# Altium PCB PCB1.PcbDoc (continued)
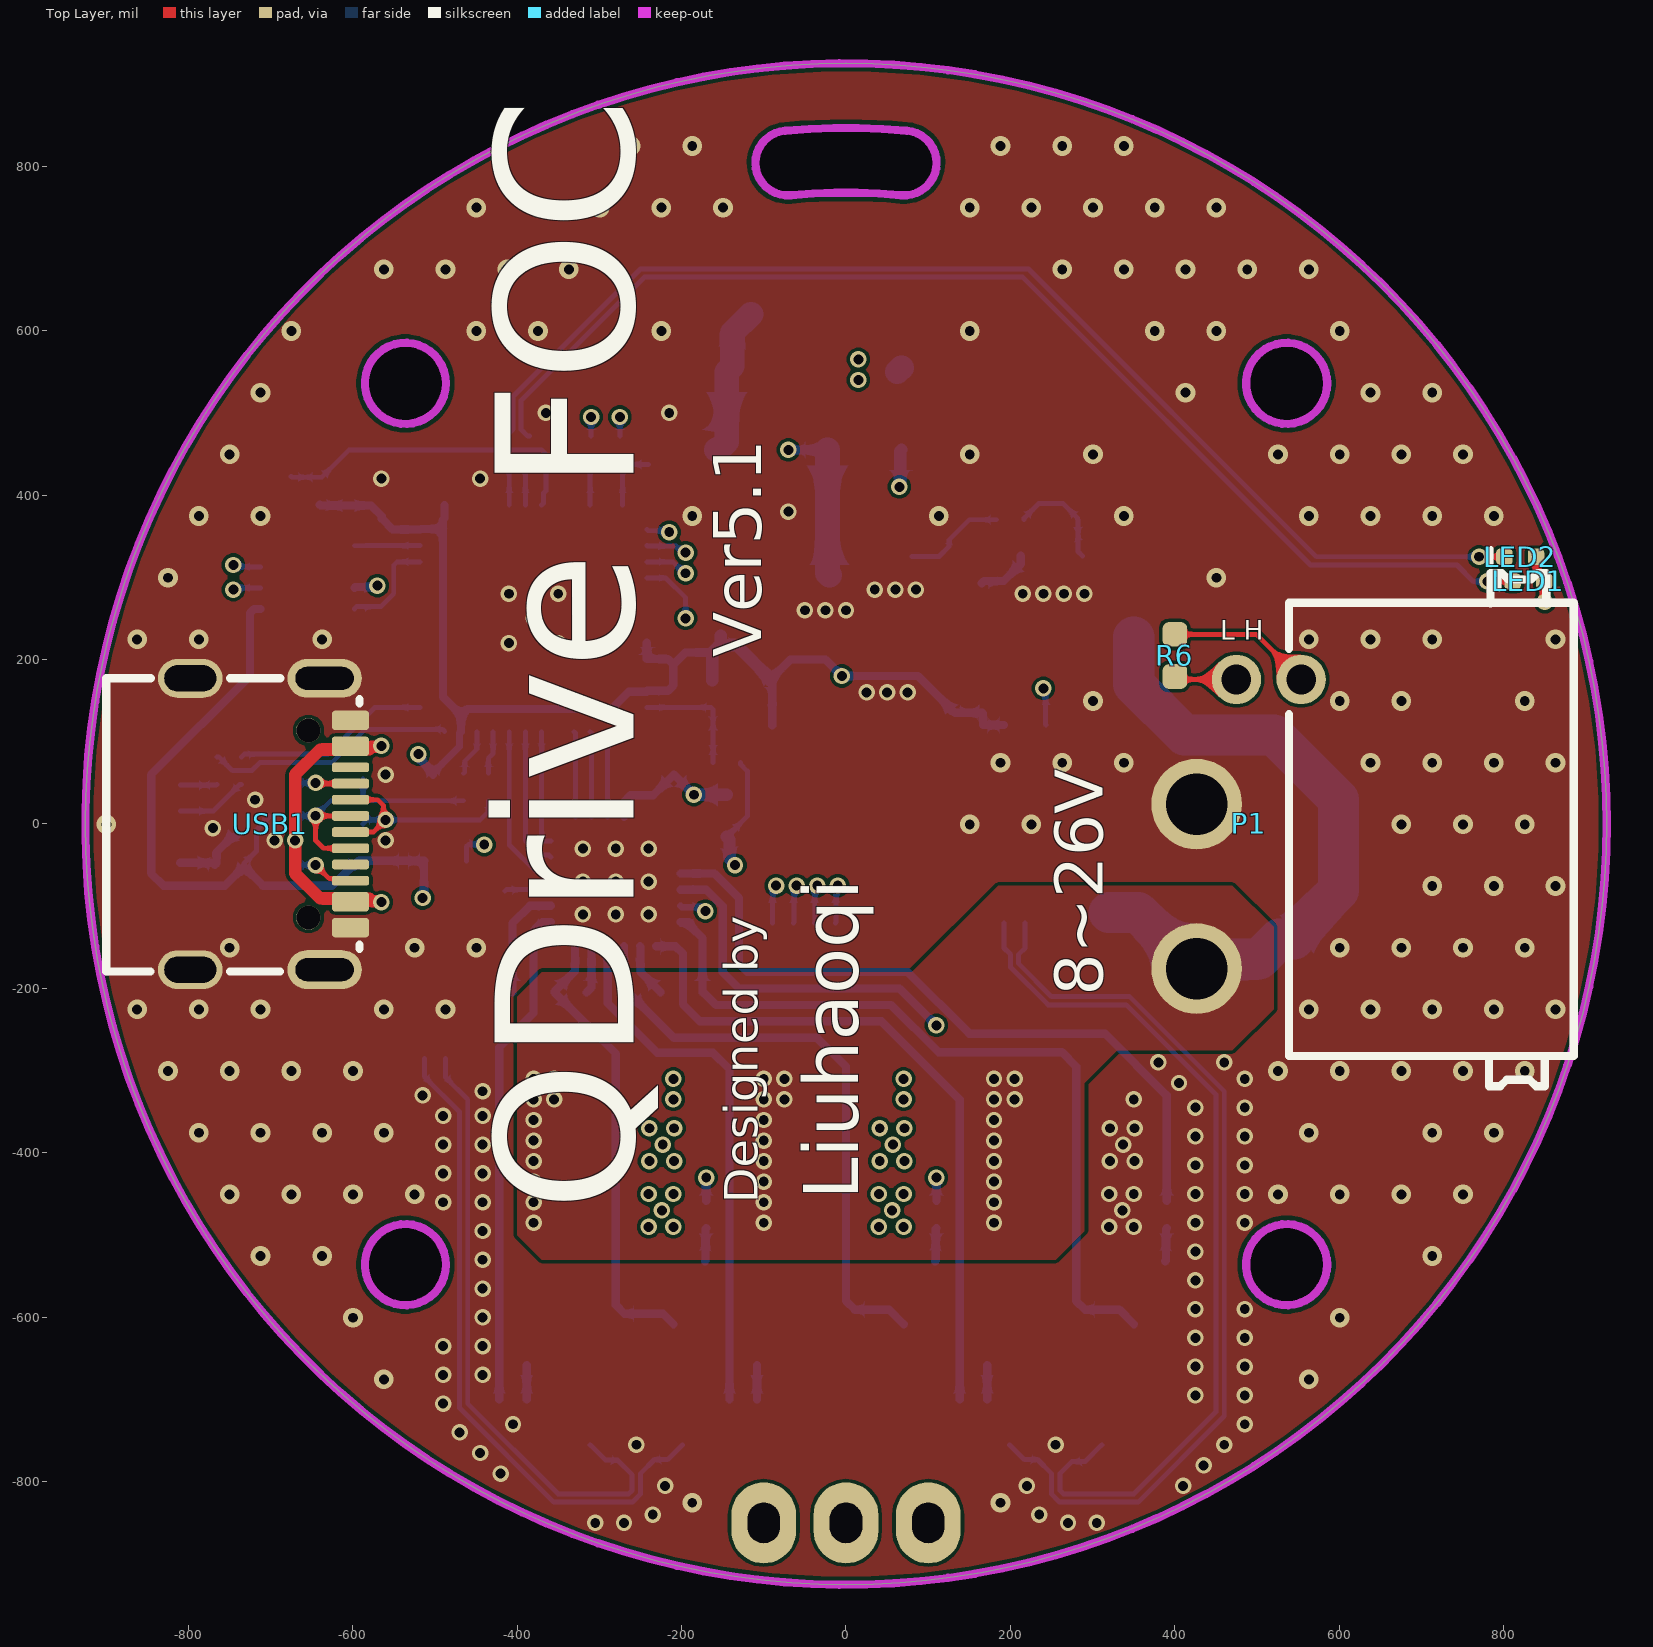
[diagram p0: Top Layer view]
## Nets (pads, with @x,y where several pads share a name; then routed paths per layer and width w, separated by ;. In a path a pad name is that pad's centre, name@x,y a point inside that pad or via, vN(x,y) a via of type N, cw(c..) or ccw(c..) an arc to the next point about the centre after c; other vN are vias at no path point) (continued)
HIN1: U5.22 U7.32 | length 202.8
  Bottom Layer w6: U7.32 -409.53,-25.47 -377.35,-57.65 -361.25,-57.65 U5.22
HIN2: U5.23 U7.31 | length 171.9
  Bottom Layer w6: U7.31 -389.84,-20.16 -372.04,-37.96 -361.25,-37.96 U5.23
HIN3: U5.24 U7.30 | length 142.9
  Bottom Layer w6: U7.30 -370.16,-18.28 -367.65,-20.79 U5.24
I_Sense_U: C15.1 Q1.1 Q1.2 Q1.3 Q2.5 Q2.6 Q2.7 Q2.8 Q2.9 R1.1 U2.2 U5.18 | length 1320.5
  Bottom Layer w6: U2.2 -487.21,-307.79 -460,-335 -460,-705 -350.3,-814.7 -264.2,-814.7 -260.16,-810.65 -260.16,-791.52 -277.93,-773.75 -292.35,-773.75 R1.1
  Bottom Layer w10: U5.18 -329.72,-149.25 -329.72,-178.97 -354.41,-203.65 C15.1 -280,-279.41 -280,-585 -269.35,-595.65 -222.64,-595.65 Q2.9
I_Sense_W: C26.1 Q5.1 Q5.2 Q5.3 Q6.5 Q6.6 Q6.7 Q6.8 Q6.9 R2.2 U3.3 U5.12 | length 2037.3
  Bottom Layer w6: U3.3 192.2,-150.79 200,-158.59 200,-174.14 245.86,-220 340.86,-220 450,-329.14 450,-715 350.3,-814.7 264.45,-814.7 260.41,-810.65 260.41,-789.59 274.59,-775.41 290.69,-775.41 R2.2
  Bottom Layer w10: U5.12 -191.02,-119.21 -190.51,-119.72 -190.51,-122.8 -174.41,-138.9 C26.1 -173.05,-205 -158.06,-220 55,-220 112.5,-277.5 262.5,-277.5 280,-295 280,-580 290.65,-590.65 332.36,-590.65 Q6.9
I_U: R14.2 U2.8 | length 637.4
  PowerAndSingle w6: v1(-440,-25) -440,365 v1(-310,495)
  Bottom Layer w6: U2.8 -461.61,-27.36 -458.93,-24.68 -440.32,-24.68 v1(-440,-25) ; R14.2 v1(-310,495)
I_W: R16.2 U3.8 | length 721.1
  PowerAndSingle w6: v1(-275,495) -185,405 0,405 v1(240,165)
  Bottom Layer w6: R16.2 v1(-275,495) ; v1(240,165) 242.68,162.32 242.68,120.94 U3.8
LED_G: R12.1 U7.5 | length 53.1
  Bottom Layer w6: R12.1 -414.33,438.27 -409.53,433.47 U7.5
LED_R: R11.1 U7.6 | length 52.5
  Bottom Layer w6: U7.6 -389.84,433.47 R11.1@-385.04,438.27
LIN1: U5.1 U7.28 | length 104.1
  Bottom Layer w6: U7.28 -329.21,110.63 U5.1
LIN2: U5.2 U7.27 | length 104.1
  Bottom Layer w6: U7.27 -309.53,110.63 U5.2
LIN3: U5.3 U7.26 | length 104.1
  Bottom Layer w6: U7.26 -289.84,110.63 U5.3
LO1: R5.1 U5.11 | length 385.7
  Ground w10: v1(-170.94,-105.93) -170.47,-106.4 -170.47,-429.53 v1(-170,-430)
  Bottom Layer w8: U5.11 -199.75,-101.04 -179.08,-101.04 -174.18,-105.93 v1(-170.94,-105.93)
  Bottom Layer w10: R5.1 v1(-170,-430)
LO2: R17.1 U5.10 | length 639.8
  Ground w10: v1(110,-430) v1(110,-245)
  Bottom Layer w10: U5.10 -170.16,-79.84 -150,-100 -150,-180 -130,-200 65,-200 v1(110,-245) ; R17.1 v1(110,-430)
LO3: R24.1 U5.9 | length 878.2
  Bottom Layer w10: U5.9 -159.84,-60.16 -130,-90 -130,-170 -120,-180 75,-180 150,-255 315,-255 390,-330 R24.1
MOTOR_U: pad.6@-100,-800 pad.7@-100,-850 R1.2 U2.3 | length 804.6
  Bottom Layer w6: U2.3 -512.8,-307.2 -470,-350 -470,-710 -355.3,-824.7 -259.7,-824.7 -249.7,-814.7 -249.7,-789.7 -232.91,-772.91 -216.81,-772.91 R1.2
MOTOR_V: C21.1 pad.6@0,-800 pad.7@0,-850 Q3.1 Q3.2 Q3.3 Q4.5 Q4.6 Q4.7 Q4.8 Q4.9 U5.15 | length 727.2
  Bottom Layer w10: U5.15 -270.16,-199.25 -209.41,-260 -35,-260 0,-295 0,-580 10.65,-590.65 52.36,-590.65 Q4.9
MOTOR_W: pad.6@100,-800 pad.7@100,-850 R2.1 U3.2 | length 1110.2
  Bottom Layer w6: R2.1 216.81,-772.91 232.91,-772.91 249.7,-789.7 249.7,-814.7 259.7,-824.7 355.3,-824.7 460,-720 460,-325 345,-210 250,-210 210,-170 210,-158.59 217.79,-150.79 U3.2
NetC15_2: C15.2 U5.20 | length 140
  Bottom Layer w10: C15.2 -405.59,-120.59 -384.53,-99.53 U5.20
NetC16_1: C16.1 U4.1 | length 67.2
  Bottom Layer w10: C16.1 167.87,295.59 191.85,295.59 212.6,316.34 U4.1
NetC16_2: C16.2 L1.1 U4.6
NetC19_2: C19.2 D2.2 R10.2 U5.4 | length 691.1
  Ground w15: v1(-185,35.59) -185,160 v1(65,410)
  Bottom Layer w10: U5.4 -269.65,9.25 -269.65,27.28 -261.92,35 -234.42,35 C19.2 v1(-185,35.59)
  Bottom Layer w15: v1(-185,35.59) R10.2 ; v1(65,410) 65.96,410.96 65.96,453.46 D2.2
NetC21_2: C21.2 U5.17 | length 58.8
  Bottom Layer w10: C21.2 -309.53,-198.94 U5.17
NetC24_2: C24.2 R14.1 U7.10 | length 86.3
  Bottom Layer w6: C24.2 -344.02,438.27 R14.1 -311.1,437.17 U7.10
NetC25_1: C25.1 R16.1 U7.12 | length 87.2
  Bottom Layer w6: U7.12 -271.73,435 R16.1 -274.02,437.28 C25.1
NetC26_2: C26.2 U5.14 | length 66.6
  Bottom Layer w10: U5.14 -249.96,-149.25 -249.96,-179.77 -225.59,-204.15 C26.2
NetC29_2: C29.2 D4.1 L3.2 | length 183.7
  Bottom Layer w30: D4.1 -155.11,455 -145.11,465 L3.2 ; L3.2@-145,550 -138.29,556.71 -138.29,597.3 C29.2
NetD3_1: D3.1 JP1.1 L2.2 | length 94.1
  Bottom Layer w10: JP1.1 -770.48,-47.24 L2.2 -765.5,-47.79 -765.5,-34.35 -746.81,-15.67 -742.87,-15.67 D3.1
NetJP1_3: JP1.3 R20.2 | length 88.1
  Bottom Layer w6: JP1.3 -769.49,15.75 -736.97,48.27 R20.2
NetJP1_4: JP1.4 R21.2 | length 45.1
  Bottom Layer w6: JP1.4 -766.03,47.24 R21.2
NetLED1_2: LED1.2 R11.2 | length 1469.7
  Top Layer w6: v1(780,295) LED1.2
  Bottom Layer w6: R11.2 -386.97,471.73 -395,479.76 -395,515 -245,665 215,665 565,315 743.03,315 763.03,295 v1(780,295)
NetLED2_2: LED2.2 R12.2 | length 1468.2
  Top Layer w6: v1(770,325) LED2.2
  Bottom Layer w6: R12.2 -413.54,471.73 -405,480.27 -405,520 -250,675 221.97,675 571.97,325 v1(770,325)
NetQ1_4: Q1.4 R3.2 | length 41.9
  Bottom Layer w10: Q1.4 -388.33,-658.23 -388.33,-699.94 R3.2
NetQ2_4: Q2.4 R5.2 | length 40.8
  Bottom Layer w10: Q2.4 -170.81,-531.02 -170.81,-492.54 R5.2
NetQ3_4: Q3.4 R9.2 | length 41.9
  Bottom Layer w10: Q3.4 -108.27,-658.29 R9.2
NetQ4_4: Q4.4 R17.2 | length 40.8
  Bottom Layer w10: Q4.4 109.19,-531.02 109.19,-492.54 R17.2
NetQ5_4: Q5.4 R18.2 | length 41.9
  Bottom Layer w10: Q5.4 171.73,-658.29 R18.2
NetQ6_4: Q6.4 R24.2 | length 40.8
  Bottom Layer w10: Q6.4 389.19,-531.02 389.19,-492.54 R24.2
NetR3_1: R3.1 U5.19 | length 612.9
  Bottom Layer w10: R3.1 -421.73,-271.73 -380,-230 -380,-130.24 -368.98,-119.21 U5.19
NetR4_1: R4.1 U5.21 | length 57
  Bottom Layer w6: R4.1 -413.11,-79.84 U5.21
NetR7_1: R7.1 R8.2 U4.3 | length 130
  Bottom Layer w6: R8.2 216.73,371.97 234.76,390 263.7,390 281.73,371.97 R7.1 282.23,369.51 282.23,331.36 U4.3
NetR9_1: R9.1 U5.16 | length 652.3
  Bottom Layer w10: U5.16 -289.84,-217.9 -229.48,-278.27 -161.73,-278.27 -141.73,-298.27 R9.1
NetR18_1: R18.1 U5.13 | length 847.4
  Bottom Layer w10: U5.13 -207.28,-148.74 -198.41,-157.61 -198.41,-219.34 -177.74,-240 43.27,-240 138.27,-335 R18.1
NRST: C27.2 R19.1 U7.7 | length 390.6
  Bottom Layer w6: C27.2 -674.02,421.73 -637.52,421.73 -604.26,455 -370,455 -365,450 -365,405 -367.65,402.35 -367.65,390.31 U7.7
SPI_CLK: U7.13 U8.7 | length 569.6
  PowerAndSingle w6: v1(-215,355) -215,300.96 -60,145.96 v1(-60,-75)
  Bottom Layer w6: U7.13 -240.57,356.63 -216.63,356.63 v1(-215,355) ; U8.7 -63.09,-119.35 -63.09,-81.88 -60,-78.79 v1(-60,-75)
SPI_CSn: U7.16 U8.8 | length 499.9
  PowerAndSingle w6: v1(-195,250) -85,140 v1(-85,-75)
  Bottom Layer w6: U7.16 -219.21,299.21 -195,275 v1(-195,250) ; U8.8 -89.22,-119.89 -89.22,-83.01 -85,-78.79 v1(-85,-75)
SPI_MISO: U7.14 U8.5 | length 578.8
  PowerAndSingle w6: v1(-195,330) -10,145 v1(-10,-75)
  Bottom Layer w6: U7.14 -241.62,338 -206.79,338 -198.79,330 v1(-195,330) ; U8.5 -11.91,-119.35 -11.91,-76.91 v1(-10,-75)
SPI_MOSI: U7.15 U8.6 | length 545.9
  PowerAndSingle w6: v1(-195,305) -35,145 v1(-35,-75)
  Bottom Layer w6: U7.15 -210.52,318.9 -196.62,305 v1(-195,305) ; U8.6 -38.03,-119.88 -38.03,-81.81 -35,-78.79 v1(-35,-75)
SWDCLK: R20.1 U7.37 | length 242.1
  Bottom Layer w6: R20.1 -731.73,85 -630,85 -573.27,141.73 U7.37
SWDIO: R21.1 U7.36 | length 305.9
  Bottom Layer w6: R21.1 -763.03,81.73 -746.3,65 -722.5,65 -712.5,75 -625,75 -584.82,115.18 -490.78,115.18 -488.27,112.67 U7.36
VBAT: C1.1 C2.1 C3.1 C4.1 C5.1 C6.1 C7.1 C8.1 C9.1 C10.1 C18.2 D1.2 P1.1 Q1.5 Q1.6 Q1.7 Q1.8 Q1.9 Q3.5 Q3.6 Q3.7 Q3.8 Q3.9 Q5.5 Q5.6 Q5.7 Q5.8 Q5.9 R10.1 R13.2 U4.4 U4.5 | length 1093.8
  PowerAndSingle w15: -135,-190 v1(-135,-50)
  Bottom Layer w6: R10.1 -120,9.41 -120,64.26 -128.27,72.52 R13.2
  Bottom Layer w15: R10.1 -141.72,-18.87 -141.72,-41.92 -135,-48.65 v1(-135,-50)
  Bottom Layer w50: C4.1 355.11,-107.4 P1.1@415.63,-167.92 ; C18.2 350,170 411.67,108.33 520.36,108.33 599,29.69 599,-81 545,-135 545,-140 526.78,-140 502.52,-164.26 437.94,-164.26 P1.1
  other v1: -380,-485 -100,-485 180,-485 -380,-460 -100,-460 180,-460 -380,-435 -100,-435 180,-435 -380,-410 -100,-410 180,-410 -380,-385 -100,-385 180,-385 -380,-360 -100,-360 180,-360 -380,-335 -355,-335 -100,-335 -75,-335 180,-335 205,-335 -380,-310 -355,-310 -100,-310 -75,-310 180,-310 205,-310
VBUS: D5.2 L3.1 USB1.A4 USB1.A9 USB1.B4 USB1.B9 | length 1647.6
  Top Layer w15: v1(-565,-95) -565.96,-94.04 -576.43,-94.04 -579.55,-90.92 -602.2,-90.92 USB1.B4 -639.45,-90.55 -670,-60 v1(-670,-20) -670,60 -639.45,90.55 USB1.B9 -602.35,90.92 -579.72,90.92 -576.6,94.04 -565.96,94.04 v1(-565,95)
  PowerAndSingle w15: v1(-565,-95) -595,-65 -595,65 v1(-565,95) -545,115 -545,365 -375,535 -190,535 -85,430 -20,430 15,465 v1(15,565)
  Bottom Layer w30: D5.2@62.5,550 D5.2
  other v1: 15,540
VSENSE: C22.1 R13.1 R15.2 U7.24 | length 144.7
  Bottom Layer w6: U7.24 -164.45,141.73 -161.73,139.02 R15.2 ; R13.1 R15.2@-161.73,104.08
pads on no net: U1.4 U2.1 U3.1 U5.5 U5.7 U5.8 U7.2 U7.3 U7.4 U7.8 U7.9 U7.11 U7.17 U7.18 U7.19 U7.22 U7.25 U7.29 U7.38 U7.39 U7.40 U7.41 U7.42 U7.43 U7.44 U7.45 U8.1 U8.2 U8.3 U8.4 U8.10 U8.11 U8.13 U8.14 U8.15 U8.16 USB1. USB1.A8 USB1.B8

## Polygon pours and split planes (outlines as drawn)
VBUS on Bottom Layer "NONET_L-01_P-001" (solid, pour order 70): -55,585 -65,575 -65,525 -55,515 90,515 100,525 100,575 90,585
VBAT on Bottom Layer "NONET_L-01_P-001" (solid, pour order 68): 370,255 380,245 380,205 370,195 245,195 235,205 235,240 250,255
MOTOR_U on Bottom Layer "NONET_L-01_P-001" (solid, pour order 53): -230,-730 -230,-780 -220,-790 -155,-790 -140,-805 -140,-865 -120,-885 -85,-885 -65,-865 -65,-740 -85,-720 -220,-720
I_Sense_W on Bottom Layer "NONET_L-01_P-001" (solid, pour order 51): 400,-725 335,-790 290,-790 280,-780 280,-720 250,-690 200,-690 185,-675 185,-635 190,-630 260,-630 275,-615 275,-575 280,-570 395,-570 400,-575
VBAT on Bottom Layer "NONET_L-01_P-001" (solid, pour order 67): 265,-285 265,-610 255,-620 165,-620 150,-605 150,-280 170,-260 240,-260
VBAT on Bottom Layer "NONET_L-01_P-001" (solid, pour order 66): -15,-285 -15,-610 -25,-620 -115,-620 -130,-605 -130,-280 -110,-260 -40,-260
GND on Bottom Layer "NONET_L-01_P-001" (solid, pour order 71): 0,-925.2 cw(c0,0) -925.2,0 cw(c0,0) 0,925.2 cw(c0,0) 925.2,0 cw(c0,0)
VBAT on Bottom Layer "NONET_L-01_P-001" (solid, pour order 55): -295,-285 -295,-610 -305,-620 -395,-620 -410,-605 -410,-280 -390,-260 -320,-260
MOTOR_W on Bottom Layer "NONET_L-01_P-001" (solid, pour order 54): 230,-730 230,-780 220,-790 155,-790 140,-805 140,-865 120,-885 85,-885 65.14,-865.14 65.14,-739.86 85,-720 220,-720
MOTOR_V on Bottom Layer "NONET_L-01_P-001" (solid, pour order 52): 35,-865 15,-885 -15,-885 -35,-865 -35,-735 -95,-675 -95,-635 -90,-630 -20,-630 -5,-615 -5,-575 0,-570 115,-570 125,-580 125,-665 115,-675 95,-675 35,-735
I_Sense_U on Bottom Layer "NONET_L-01_P-001" (solid, pour order 49): -280,-775 -280,-780 -290,-790 -330,-790 -375,-745 -375,-635 -370,-630 -300,-630 -285,-615 -285,-575 -280,-570 -165,-570 -155,-580 -155,-665 -165,-675 -235,-675 -280,-720
+5 on Bottom Layer "NONET_L-01_P-001" (solid, pour order 39): -170,390 -165,395 -140,395 -135,390 -135,360 -130,355 130,355 135,350 135,310 130,305 27.07,305 2.07,280 -20,280.11 -40,280.11 -160,280 -170,290
NetC16_2 on Bottom Layer "NONET_L-01_P-001" (solid, pour order 37): 200,265 225,240 225,205 220,200 35,200 25,210 25,255 35,265
VBAT on PowerAndSingle "NONET_L-01_P-001" (solid, pour order 65): 520,-225 470,-275 330,-275 290,-315 290,-495 255,-530 -370,-530 -400,-500 -400,-210 -370,-180 80,-180 185,-75 470,-75 520,-125
GND on PowerAndSingle "NONET_L-01_P-001" (solid, pour order 69): 0,-925.2 cw(c0,0) -925.2,0 cw(c0,0) 0,925.2 cw(c0,0) 925.2,0 cw(c0,0)
VBAT on Top Layer "NONET_L-01_P-001" (solid, pour order 62): 520,-225 470,-275 330,-275 290,-315 290,-495 255,-530 -370,-530 -400,-500 -400,-210 -370,-180 80,-180 185,-75 470,-75 520,-125
GND on Top Layer "NONET_L-01_P-001" (solid, pour order 63): 0,-925.2 cw(c0,0) -925.2,0 cw(c0,0) 0,925.2 cw(c0,0) 925.2,0 cw(c0,0)
GND on Ground "NONET_L-01_P-001" (solid, pour order 64): 0,-925.2 cw(c0,0) -925.2,0 cw(c0,0) 0,925.2 cw(c0,0) 925.2,0 cw(c0,0)

## Keep-outs
Keep-Out Layer:
  circle w10: c-535.9,535.9 r49.31
  circle w10: c-535.9,-535.9 r49.31
  circle w10: c535.9,-535.9 r49.31
  circle w10: c535.9,535.9 r49.31
  circle w10: c0,0 r925.2
  lines w10: -73.77,843.24 cw(c0,0) 73.77,843.24 cw(c70.83,803.97) 66.91,764.8 ccw(c0,0) -66.91,764.8 cw(c-70.83,803.97) -73.77,843.24

## Other copper
Bottom Layer:
  pour cut-out: 89.92,120.08 105,105 105,-105 90,-120 -90,-120 -105,-105 -105,105 -89.92,120.08

## Silkscreen, mask and mechanical layers (free items; w line width, h text height)
Top Overlay:
  text "L H" at 455.39,216.25 h40
  text "Ver5.1" at -83.38,202.97 h100 r90
  text "8~26V" at 331.54,-208.77 h100 r90
  text "Liuhaoqi" at 36.67,-456.71 h115 r90
  text "Designed by" at -94.16,-461.46 h70 r90
  text "QDrive FOC" at -203.09,-471.66 h290 r90
Bottom Overlay:
  text "C D" at -892.6,125.23 h55 r270
  text "V G" at -892.6,-205.66 h55 r270
Mechanical Document:
  circle w10: c535.9,-535.9 r40.35
  circle w10: c-535.9,-535.9 r40.35
  circle w10: c535.9,535.9 r40.35
  circle w10: c-535.9,535.9 r40.35
  circle w10: c0,0 r964.57
  circle w10: c0,0 r925.2
  circle w10: c0,0 r326.77
  circle w10: c0,0 r185.04
  circle w10: c0,0 r102.36
  lines w10: -314.96,-795.28 ccw(c-236.22,-795.28) -236.22,-874.02 236.22,-874.02 ccw(c236.22,-795.28) 314.96,-795.28 314.96,-519.69 ccw(c236.22,-519.69) 236.22,-440.95 -236.22,-440.95 ccw(c-236.22,-519.69) -314.96,-519.69 -314.96,-795.28 ; -129.53,-789.41 ccw(c-100,-789.41) -70.47,-789.41 -70.47,-750.04 ccw(c-100,-750.04) -129.53,-750.04 -129.53,-789.41 ; -29.53,-789.41 ccw(c0,-789.41) 29.53,-789.41 29.53,-750.04 ccw(c0,-750.04) -29.53,-750.04 -29.53,-789.41 ; 70.47,-789.41 ccw(c100,-789.41) 129.53,-789.41 129.53,-750.04 ccw(c100,-750.04) 70.47,-750.04 70.47,-789.41
Drill Drawing:
  circle w5: c-630.94,1341.14 r16.67
  lines w5: -647.6,1416.14 -630.94,1399.47 -614.27,1416.14 -630.94,1432.8 -647.6,1416.14 ; -647.6,1507.8 -614.27,1507.8 -630.94,1474.47 -647.6,1507.8 ; -647.6,1549.47 -614.27,1549.47 -614.27,1582.8 -647.6,1582.8 -647.6,1549.47 ; -647.6,1624.47 -630.94,1632.8 -614.27,1624.47 -622.6,1641.14 -614.27,1657.8 -630.94,1649.47 -647.6,1657.8 -639.27,1641.14 -647.6,1624.47 ; -647.6,1707.8 -639.27,1707.8 -639.27,1699.47 -622.6,1699.47 -622.6,1707.8 -614.27,1707.8 -614.27,1724.47 -622.6,1724.47 -622.6,1732.8 -639.27,1732.8 -639.27,1724.47 -647.6,1724.47 -647.6,1707.8 ; -647.6,1782.8 -639.27,1782.8 -630.94,1774.47 -622.6,1782.8 -614.27,1782.8 -622.6,1791.14 -614.27,1799.47 -622.6,1799.47 -630.94,1807.8 -639.27,1799.47 -647.6,1799.47 -639.27,1791.14 -647.6,1782.8
  lines w15: -677.5,1301.97 6271.54,1301.97 ; -677.5,1826.97 6271.54,1826.97 ; -402.06,1226.97 -402.06,1901.97 ; -102.14,1226.97 -102.14,1901.97 ; 447.7,1226.97 447.7,1901.97 ; 700.64,1226.97 700.64,1901.97 ; 1067.54,1226.97 1067.54,1901.97 ; 1817.31,1226.97 1817.31,1901.97 ; 2112.24,1226.97 2112.24,1901.97 ; 2485.14,1226.97 2485.14,1901.97 ; 3264.9,1226.97 3264.9,1901.97 ; 3691.78,1226.97 3691.78,1901.97 ; 4358.59,1226.97 4358.59,1901.97 ; 5025.39,1226.97 5025.39,1901.97 ; 5570.24,1226.97 5570.24,1901.97 ; -677.5,1226.97 6271.54,1226.97 6271.54,1901.97 -677.5,1901.97 -677.5,1226.97
  text "Symbol" at -632.5,1849.47 h36
  text "Count" at -379.56,1849.47 h36
  text "Hole Size" at -79.64,1849.47 h36
  text "Plated" at 470.2,1849.47 h36
  text "Hole Type" at 723.14,1849.47 h36
  text "Drill Layer Pair" at 1090.04,1849.47 h36
  text "Via/Pad" at 1839.81,1849.47 h36
  text "Pad Shape" at 2134.74,1849.47 h36
  text "Template" at 2507.64,1849.47 h36
  text "Description" at 3287.4,1849.47 h36
  text "Hole Tolerance (+)" at 3714.28,1849.47 h36
  text "Hole Tolerance (-)" at 4381.09,1849.47 h36
  text "Hole Length" at 5047.89,1849.47 h36
  text "Routed Path Length" at 5592.74,1849.47 h36
  text "2" at -379.56,1774.47 h30
  text "0.700mm (27.56mil)" at -79.64,1774.47 h30
  text "PTH" at 470.2,1774.47 h30
  text "Slot" at 723.14,1774.47 h30
  text "Top Layer - Bottom Layer" at 1090.04,1774.47 h30
  text "Pad" at 1839.81,1774.47 h30
  text "Rounded" at 2134.74,1774.47 h30
  text "(Mixed)" at 2507.64,1774.47 h30
  text "1.800mm (70.87mil)" at 5047.89,1774.47 h30
  text "1.100mm (43.31mil)" at 5592.74,1774.47 h30
  text "2" at -379.56,1699.47 h30
  text "0.750mm (29.53mil)" at -79.64,1699.47 h30
  text "NPTH" at 470.2,1699.47 h30
  text "Round" at 723.14,1699.47 h30
  text "Top Layer - Bottom Layer" at 1090.04,1699.47 h30
  text "Pad" at 1839.81,1699.47 h30
  text "Rounded" at 2134.74,1699.47 h30
  text "c75hn75m0mx0" at 2507.64,1699.47 h30
  text "-" at 5047.89,1699.47 h30
  text "-" at 5592.74,1699.47 h30
  text "2" at -379.56,1624.47 h30
  text "0.800mm (31.50mil)" at -79.64,1624.47 h30
  text "PTH" at 470.2,1624.47 h30
  text "Slot" at 723.14,1624.47 h30
  text "Top Layer - Bottom Layer" at 1090.04,1624.47 h30
  text "Pad" at 1839.81,1624.47 h30
  text "Rounded" at 2134.74,1624.47 h30
  text "(Mixed)" at 2507.64,1624.47 h30
  text "1.600mm (62.99mil)" at 5047.89,1624.47 h30
  text "0.800mm (31.50mil)" at 5592.74,1624.47 h30
  text "2" at -379.56,1549.47 h30
  text "0.914mm (36.00mil)" at -79.64,1549.47 h30
  text "PTH" at 470.2,1549.47 h30
  text "Round" at 723.14,1549.47 h30
  text "Top Layer - Bottom Layer" at 1090.04,1549.47 h30
  text "Pad" at 1839.81,1549.47 h30
  text "Rounded" at 2134.74,1549.47 h30
  text "c152h91o0_0m162mx162p0" at 2507.64,1549.47 h30
  text "-" at 5047.89,1549.47 h30
  text "-" at 5592.74,1549.47 h30
  text "2" at -379.56,1474.47 h30
  text "1.900mm (74.80mil)" at -79.64,1474.47 h30
  text "PTH" at 470.2,1474.47 h30
  text "Round" at 723.14,1474.47 h30
  text "Top Layer - Bottom Layer" at 1090.04,1474.47 h30
  text "Pad" at 1839.81,1474.47 h30
  text "Rounded" at 2134.74,1474.47 h30
  text "(Mixed)" at 2507.64,1474.47 h30
  text "-" at 5047.89,1474.47 h30
  text "-" at 5592.74,1474.47 h30
  text "3" at -379.56,1399.47 h30
  text "1.000mm (39.37mil)" at -79.64,1399.47 h30
  text "PTH" at 470.2,1399.47 h30
  text "Slot" at 723.14,1399.47 h30
  text "Top Layer - Bottom Layer" at 1090.04,1399.47 h30
  text "Pad" at 1839.81,1399.47 h30
  text "Rounded" at 2134.74,1399.47 h30
  text "r200_250h100_125r100m0mx0" at 2507.64,1399.47 h30
  text "1.250mm (49.21mil)" at 5047.89,1399.47 h30
  text "0.250mm (9.84mil)" at 5592.74,1399.47 h30
  text "332" at -379.56,1324.47 h30
  text "0.305mm (12.00mil)" at -79.64,1324.47 h30
  text "PTH" at 470.2,1324.47 h30
  text "Round" at 723.14,1324.47 h30
  text "Top Layer - Bottom Layer" at 1090.04,1324.47 h30
  text "Via" at 1839.81,1324.47 h30
  text "Rounded" at 2134.74,1324.47 h30
  text "(Mixed)" at 2507.64,1324.47 h30
  text "-" at 5047.89,1324.47 h30
  text "-" at 5592.74,1324.47 h30
  text "345 Total" at -379.56,1249.47 h30
  text "Slot definitions :" at -632.5,1176.98 h30
  text "Routed Path Length" at -116.16,1176.98 h30
  text "= Calculated from tool start centre position to tool end centre position." at 435.18,1176.98 h30
  text "Hole Length" at -116.16,1127 h30
  text "= Routed Path Length + Tool Size = Slot length as defined in the PCB layout" at 230.24,1127 h30